# Altium PCB RFSOC_SAWG.PcbDoc (part 4 of 15) (continued)
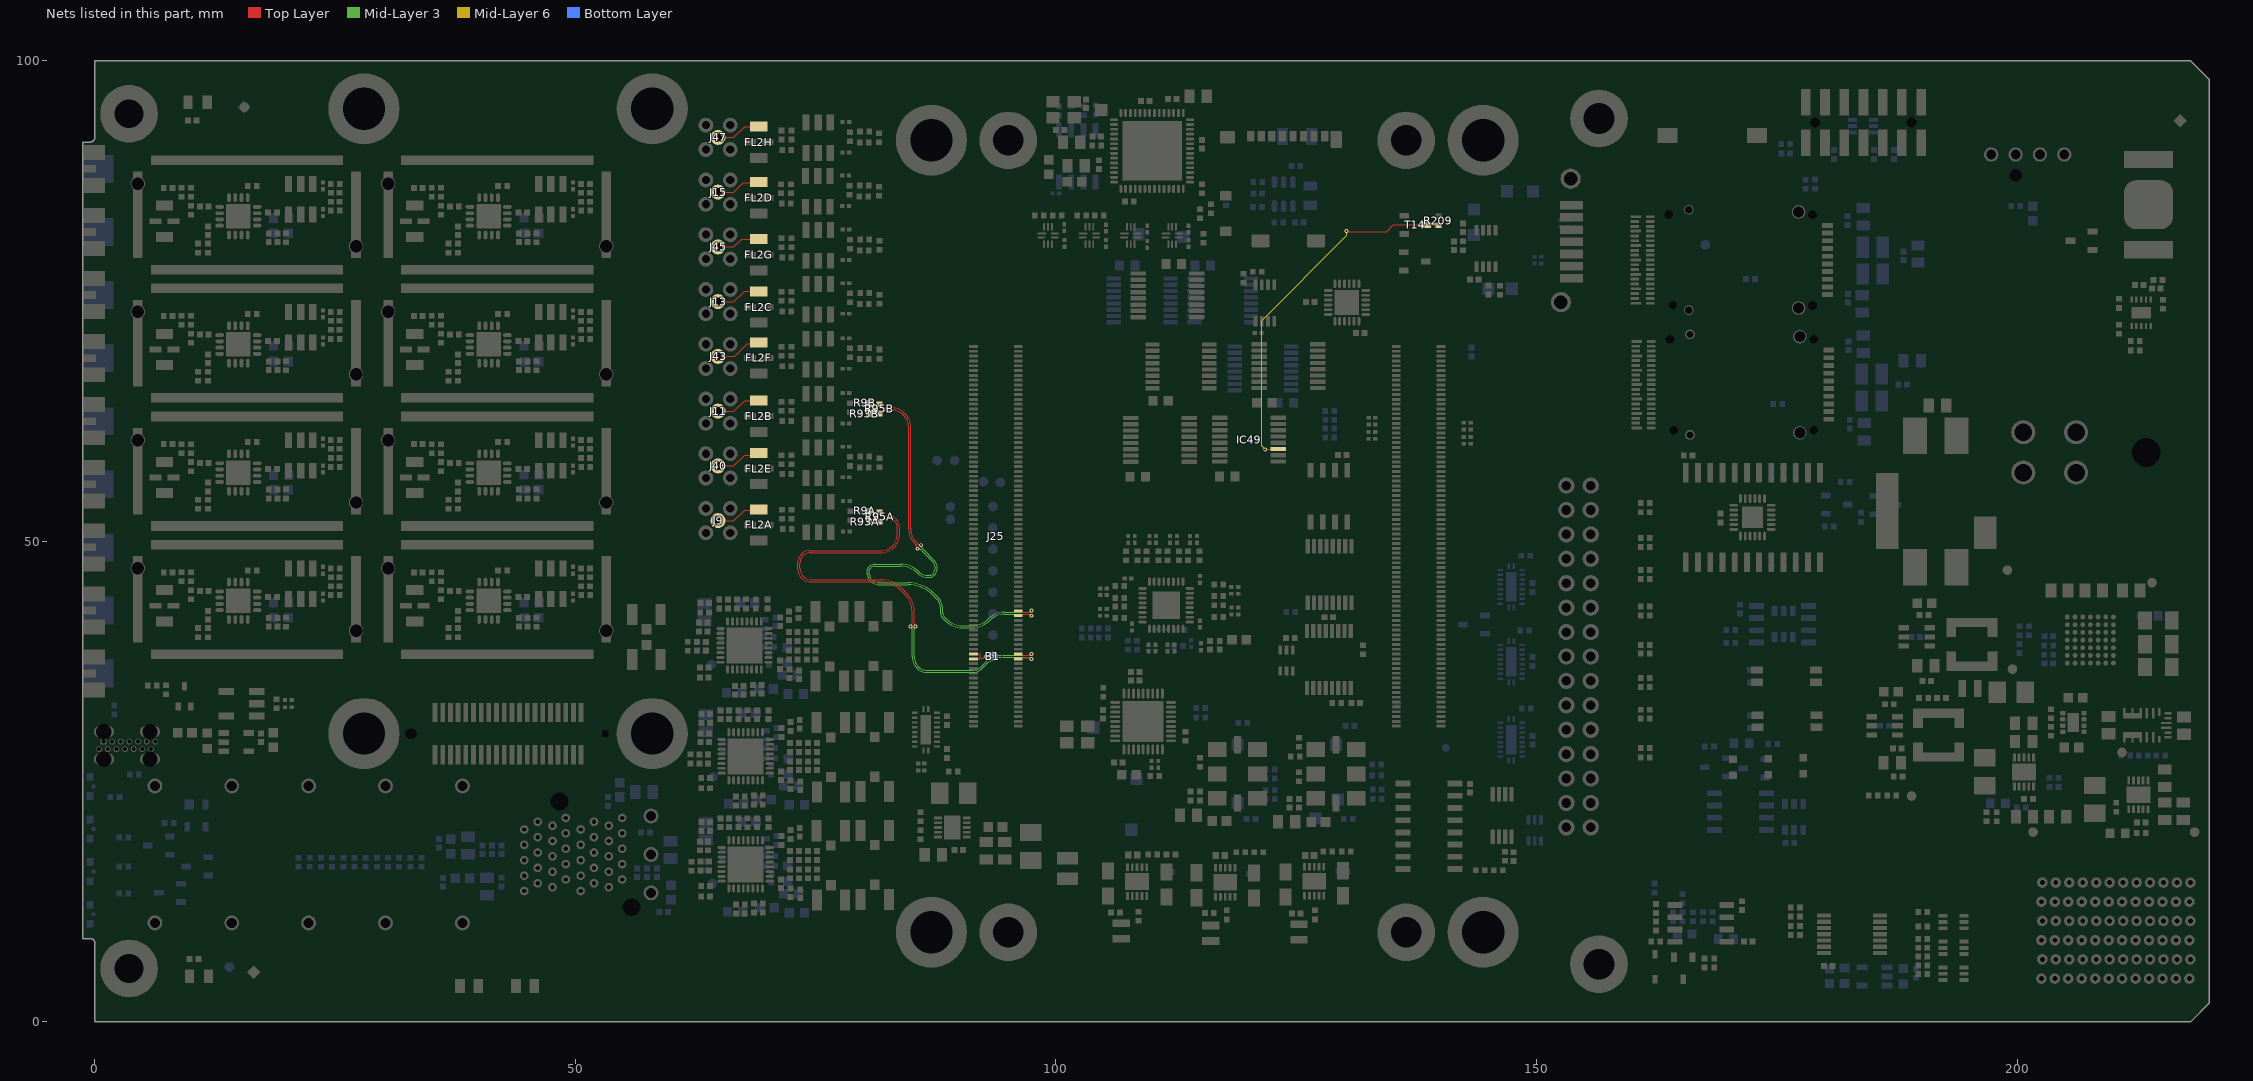
[diagram p10: the nets of this part, all layers, seen from the top]
## Part data (continued)
IC3 IC53: "1.7V-5.5V, 2K I2C Serial EEPROM With EUI-48 Node Identity", Case=SOT23-6, Manufacturer="MICROCHIP TECHNOLOGY", Author="CERN DEM BC", Bonding=No, Component Type=Standard, ComponentHeight=1.45mm, CreateDate=06.12.2019, Device=24AA025E48T-I/OT, HelpURL=\\cern.ch\dfs\Applications\Altium\Datasheets\24AA025E48T-I-OT.pdf, LatestRevisionDate=06.12.2019, Manufacturer Part Number=24AA025E48T-I/OT, Mounted=Yes, PackageDescription="SOT, 0.95mm pitch; 6 pin, 1.60mm W X 2.90mm L X 1.45mm H body, IPC Medium Density", Part Description="1.7V-5.5V, 2K I2C Serial EEPROM with EUI-48™ Node Identity; Cascadable", Part Number=24AA025E48T-I/OT, Pin Count=6, PressFit=No, Sense=No, SMD=Yes, Socket=No
IC4: "SDIO Port Expander With Voltage-Level Translation", Case=QFN24, Manufacturer="TEXAS INSTRUMENTS", Author="CERN DEM JLC", Bonding=No, Component Type=Standard, ComponentHeight=0.8mm, CreateDate=19.11.2014, Device=TXS02612RTWR, HelpURL=\\cern.ch\dfs\Applications\Altium\Datasheets\TXS02612RTWR.pdf, LatestRevisionDate=19.11.2014, Manufacturer Part Number=TXS02612RTWR, Mounted=Yes, PackageDescription="QFN, 0.50mm Pitch, Square; 24 Pin, 4.00mm L X 4.00mm W X 0.80mm H body (w/Thermal Tab 2.55 X 2.55mm), IPC Medium Density", Part Description="SDIO Port Expander with Voltage-Level Translation", Part Number=TXS02612RTWR, Pin Count=25, PressFit=No, Sense=No, SMD=Yes, Socket=No
IC5 IC25: "1.7V-5.5V, 2K I2C™ Serial EEPROMs with EUI-48™ Node Identity", Case=SOIC8, Manufacturer="MICROCHIP TECHNOLOGY", Author="CERN DEM MR", Bonding=No, Component Type=Standard, ComponentHeight=1.75mm, CreateDate=19.07.2016, Device=24AA025E48-I/SN, HelpURL=\\cern.ch\dfs\Applications\Altium\Datasheets\24AA025E48-I-SN.pdf, LatestRevisionDate=19.07.2016, Manufacturer Part Number=24AA025E48-I/SN, Mounted=Yes, PackageDescription="SOIC 8, Pitch 1.27mm - Body 4x5mm, IPC Medium Density", Part Description="1.7V-5.5V, 2K I2C™ Serial EEPROMs with EUI-48™ Node Identity", Part Number=24AA025E48-I/SN, Pin Count=8, PressFit=No, Sense=No, SMD=Yes, Socket=No
IC6 IC8 IC40 IC41: "Dual-Bit Dual-Supply Bus Transceiver With Configurable Voltage Translation and 3-State Outputs", Case=QFN10, Manufacturer="TEXAS INSTRUMENTS", Author="CERN DEM JLC", Bonding=No, Component Type=Standard, ComponentHeight=0.55mm, CreateDate=07.07.2014, Device=SN74AVC2T245RSWR, HelpURL=\\cern.ch\dfs\Applications\Altium\Datasheets\SN74AVC2T245RSWR.pdf, LatestRevisionDate=30.03.2017, Manufacturer Part Number=SN74AVC2T245RSWR, Mounted=Yes, PackageDescription="QFN, 0.40mm Pitch, Rect.;10 Pin, 1.80mm L X 1.40mm W X 0.55mm H Body, IPC Medium Density", Part Description="Dual-Bit Dual-Supply Bus Transceiver With Configurable Voltage Translation and 3-State Outputs", Part Number=SN74AVC2T245RSWR, Pin Count=10, PressFit=No, Sense=No, SMD=Yes, Socket=No, Status="Not Recommended"
IC7: "Quad High Speed USB to Multipurpose UART/MPSSE IC", Case=QFN56, Manufacturer="FUTURE TECHNOLOGY DEVICES INTERNATIONAL (FTDI)", Author="CERN DEM JLC", Bonding=No, Component Type=Standard, ComponentHeight=1mm, CreateDate=11.10.2016, Device=FT4232H-56Q, HelpURL=\\cern.ch\dfs\Applications\Altium\Datasheets\FT4232H-56Q.pdf, LatestRevisionDate=11.10.2016, Manufacturer Part Number=FT4232H-56Q, Mounted=Yes, PackageDescription="QFN, 0.50mm Pitch, Square; 56 Pin, 8.00mm L X 8.00mm W X 1.00mm H body (6.1mm X 6.1mm Thermal tab), IPC Medium Density", Part Description="Quad High Speed USB to Multipurpose UART/MPSSE IC", Part Number=FT4232H-56Q, Pin Count=57, PressFit=No, Sense=No, SMD=Yes, Socket=No
IC9 IC13: "Dual Bidirectional I2C Bus And SMBus Voltage-Level Translator", Case=SSOP8, Manufacturer="TEXAS INSTRUMENTS", Author="CERN DEM JLC", Bonding=No, Component Type=Standard, ComponentHeight=1.3mm, CreateDate=25.02.2013, Device=PCA9306DCTR, HelpURL=\\cern.ch\dfs\Applications\Altium\Datasheets\PCA9306DCTR.pdf, LatestRevisionDate=11.02.2016, Manufacturer Part Number=PCA9306DCTR, Mounted=Yes, PackageDescription="SOP, 0.65mm, Pitch; 8 Pin, 2.80mm W X 2.95mm L X 1.30mm H Body, PC Medium Density", Part Description="Dual Bidirectional I2C Bus And SMBus Voltage-Level Translator", Part Number=PCA9306DCTR, Pin Count=8, PressFit=No, Sense=No, SMD=Yes, Socket=No
IC12 IC32 IC34 IC43: "8-Bit Shift Register With 3-State Output Register", Case=TSSOP16, Manufacturer=NEXPERIA, Author="CERN DEM HF", Bonding=No, Component Type=Standard, ComponentHeight=1.1mm, CreateDate=11.04.2022, Device=74LVC595APW, HelpURL=\\cern.ch\dfs\Applications\Altium\Datasheets\74LVC595APW.pdf, LatestRevisionDate=11.04.2022, Manufacturer Part Number=74LVC595APW, Mounted=Yes, PackageDescription="SOP, 0.65mm Pitch; 16 Pin, 4.40mm W X 5.00mm L X 1.10mm H body, IPC Medium Density", Part Description="8-Bit Shift Register with 3-State Output Registers", Part Number=74LVC595APW, Pin Count=16, PressFit=No, Sense=No, SMD=Yes, Socket=No
IC14 IC44: "500mA Peak Output LDO Regulator", Case=SOT23-5, Manufacturer="MICROCHIP TECHNOLOGY", Author="CERN DEM WB", Bonding=No, Component Type=Standard, ComponentHeight=1.45mm, CreateDate=2019-04-16, Device=MIC5219-3.3YM5, HelpURL=\\cern.ch\dfs\Applications\Altium\Datasheets\MIC5219-3.3YM5.pdf, LatestRevisionDate=2019-04-16, Manufacturer Part Number=MIC5219-3.3YM5, Mounted=Yes, PackageDescription="SOT, 0.95mm pitch; 5 pin, 1.60mm W X 2.90mm L X 1.45mm H body, IPC Medium Density", Part Description="3.3V 500mA Peak Output Low Drop-Out  (LDO) Regulator", Part Number=MIC5219-3.3YM5, Pin Count=5, PressFit=No, Sense=No, SMD=Yes, Socket=No
IC15: "Low Voltage 8-Channel I2C Switch With Reset", Case=QFN24, Manufacturer="TEXAS INSTRUMENTS", Author="CERN DEM JLC", Bonding=No, Component Type=Standard, ComponentHeight=1mm, CreateDate=07.07.2014, Device=TCA9548ARGER, HelpURL=\\cern.ch\dfs\Applications\Altium\Datasheets\TCA9548ARGER.pdf, LatestRevisionDate=07.07.2014, Manufacturer Part Number=TCA9548ARGER, Mounted=Yes, PackageDescription="QFN, 0.50mm Pitch, Square; 24 Pin, 4.00mm L X 4.00mm W X 1.00mm H body (w/thermal tab 2.2 X 2.2mm), IPC Medium Density", Part Description="Low Voltage 8-Channel I2C Switch With Reset", Part Number=TCA9548ARGER, Pin Count=25, PressFit=No, Sense=No, SMD=Yes, Socket=No
IC16: "4-BIT 1-OF-2 FET Multiplexer/Demultiplexer 2.5V/3.3V Low-Voltage Bus Switch 5V Tolerant Shifter", Case=TSSOP16, Manufacturer="TEXAS INSTRUMENTS", Author="CERN DEM JLC", Bonding=No, Component Type=Standard, ComponentHeight=1.2mm, CreateDate=2012-01-30, Device=SN74CB3T3257PW, HelpURL=\\cern.ch\dfs\Applications\Altium\Datasheets\SN74CB3T3257PW.pdf, LatestRevisionDate=2012-01-30, Manufacturer Part Number=SN74CB3T3257PW, Mounted=Yes, PackageDescription="SOP, 0.65mm Pitch; 16 Pin, 4.40mm W X 5.00mm L X 1.20mm H body, IPC Medium Density", Part Description="4-Bit 1-of-2 FET Multiplexer/Demultiplexer 2.5V/3.3V Low-Voltage Bus Switch 5V Tolerant Shifter", Part Number=SN74CB3T3257PW, Pin Count=16, PressFit=No, Sense=No, SMD=Yes, Socket=No
IC17: "Remote Diode Digital Temperature Sensor with Integrated Fan Control and TruTherm® BJT Transistor Beta Compensation Technology", Case=SON10, Manufacturer="TEXAS INSTRUMENTS", Author="CERN DEM HF", Bonding=No, Component Type=Standard, ComponentHeight=0.8mm, CreateDate=08.08.2022, Device=LM96163CISD, HelpURL=\\cern.ch\dfs\Applications\Altium\Datasheets\LM96163.pdf, LatestRevisionDate=08.08.2022, Manufacturer Part Number=LM96163CISD, Mounted=Yes, PackageDescription="SON, TEXAS Case Style DSC, 0.50mm Pitch, Square, 10 Pin, 3.00mm L X 3.00mm W X 0.80mm H body  (w/Thermal Tab 1.2 X 2.0 mm)", Part Description="Remote Diode Digital Temperature Sensor with Integrated Fan Control and TruTherm® BJT Transistor Beta Compensation Technology", Part Number=LM96163CISD, Pin Count=11, PressFit=No, Sense=No, SMD=Yes, Socket=No
IC19 IC46: "4.2V TO 18V INPUT, 2A LOW IQ SYNCHRONOUS BUCK CONVERTER", Case=SOT23-6, Manufacturer="DIODES INCORPORATED", Author="CERN DEM HF", Bonding=No, Component Type=Standard, ComponentHeight=1.1mm, CreateDate=07.01.2022, Device=AP62201WU-7, HelpURL=\\cern.ch\dfs\Applications\Altium\Datasheets\AP6220x.pdf, LatestRevisionDate=07.01.2022, Manufacturer Part Number=AP62201WU-7, Mounted=Yes, PackageDescription="SOT23, 0.95mm Pitch; 6 Pin, 1.625mm W X 2.90mm L X 1.00mm H body, IPC Medium Density", Part Description="4.2V TO 18V INPUT, 2A LOW IQ SYNCHRONOUS BUCK CONVERTER", Part Number=AP62201WU-7, Pin Count=6, PressFit=No, Sense=No, SMD=Yes, Socket=No
IC21: "Dual 2-to-4 line decoder/demultiplexer", Case=SOIC16, Manufacturer="TEXAS INSTRUMENTS", Author="CERN DEM JLC", Bonding=No, Component Type=Standard, ComponentHeight=1.75mm, CreateDate=25.01.2012, Device=SN74LV139AD, HelpURL=\\cern.ch\dfs\Applications\Altium\Datasheets\SN74LV139AD.pdf, LatestRevisionDate=25.01.2012, Manufacturer Part Number=SN74LV139AD, Mounted=Yes, PackageDescription="SOIC 16, Pitch 1.27mm - Body 4x10mm, IPC Medium Density", Part Description="Dual 2-to-4 Line Decoder/Demultiplexer", Part Number=SN74LV139AD, Pin Count=16, PressFit=No, Sense=No, SMD=Yes, Socket=No
IC22: "Any Frequency Precision Clock Multiplier/Jitter Attenuator", Case=QFN36, Manufacturer="SILICON LABS", Author="CERN DEM JLC", Bonding=No, Component Type=Standard, ComponentHeight=0.9mm, CreateDate=19.08.2013, Device=Si5324C-C-GM, HelpURL=\\cern.ch\dfs\Applications\Altium\Datasheets\Si5324C-C-GM.pdf, LatestRevisionDate=19.08.2013, Manufacturer Part Number=Si5324C-C-GM, Mounted=Yes, PackageDescription="QFN, 0.50mm Pitch, Square; 36 Pin, 6.00mm L X 6.00mm W X 0.90mm H Body (w/thermal tab 4.25m x 4.25mm), IPC Medium Density", Part Description="Any Frequency Precision Clock Multiplier/Jitter Attenuator", Part Number=Si5324C-C-GM, Pin Count=37, PressFit=No, Sense=No, SMD=Yes, Socket=No
IC23: "Two Selectable Inputs, 8 LVPECL Outputs, SiGe Clock Fanout Buffer", Case=QFN32, Manufacturer="ANALOG DEVICES", Author="CERN DEM MR", Bonding=No, Component Type=Standard, ComponentHeight=0.8mm, CreateDate=2016-11-30, Device=ADCLK948BCPZ, HelpURL=\\cern.ch\dfs\Applications\Altium\Datasheets\ADCLK948BCPZ.pdf, LatestRevisionDate=2016-11-30, Manufacturer Part Number=ADCLK948BCPZ, Mounted=Yes, PackageDescription="QFN, 0.50mm Pitch, Square; 8 Pin X 8 Pin, 5mm X 5mm X 1.00mm H body (w/thermal tab 2.85 X 2.85mm),  IPC Medium Density", Part Description="Two Selectable Inputs, 8 LVPECL Outputs, SiGe Clock Fanout Buffer", Part Number=ADCLK948BCPZ, Pin Count=33, PressFit=No, Sense=No, SMD=Yes, Socket=No
IC24A IC24B IC24C IC24D IC24E IC24F IC24G IC24H: "DC-4GHz High Isolation SPDT Non-Reflective Switch", Case=QFN16, Manufacturer="ANALOG DEVICES", Author="CERN DEM JLC", Bonding=No, Component Type=Standard, ComponentHeight=1mm, CreateDate=2017-02-23, Device=HMC349ALP4CE, HelpURL=\\cern.ch\dfs\Applications\Altium\Datasheets\HMC349ALP4CE.pdf, LatestRevisionDate=2017-02-23, Manufacturer Part Number=HMC349ALP4CE, Mounted=Yes, PackageDescription="QFN, 0.65mm pitch,square; 4 pin X 4 pin, 4mm X 4mm X 1mm H body (w/thermal tab 2.55 X 2.55mm),  IPC Medium Density", Part Description="DC-4GHz High Isolation SPDT Non-Reflective Switch", Part Number=HMC349ALP4CE, Pin Count=17, PressFit=No, Sense=No, SMD=Yes, Socket=No
IC26: "TinyLogic® UHS 2-Input Non-Inverting Multiplexer", Case=SOT363, Manufacturer="FAIRCHILD SEMICONDUCTOR", Author="CERN DEM JLC", Bonding=No, Component Type=Standard, ComponentHeight=1.1mm, CreateDate=22.03.2012, Device=NC7SZ157P6X, HelpURL=\\cern.ch\dfs\Applications\Altium\Datasheets\NC7SZ157P6X.pdf, LatestRevisionDate=22.03.2012, Manufacturer Part Number=NC7SZ157P6X, Mounted=Yes, PackageDescription="SOT363, 0.65mm pitch; 6 pin, 1.40mm W X 2.15mm L, IPC Medium Density", Part Description="TinyLogic® UHS 2-Input Non-Inverting Multiplexer", Part Number=NC7SZ157P6X, Pin Count=6, PressFit=No, Sense=No, SMD=Yes, Socket=No
IC27 IC28 IC29 IC42: "Two-Channel Differential 2:1/1:2 USB3.1 Mux/Demux", Case=TQFN20, Manufacturer="TEXAS INSTRUMENTS", Author="CERN DEM BC", Bonding=No, Component Type=Standard, ComponentHeight=1mm, CreateDate=2019-11-06, Device=HD3SS3212RKS, HelpURL=\\cern.ch\dfs\Applications\Altium\Datasheets\HD3SS3212RKS.pdf, LatestRevisionDate=2019-11-06, Manufacturer Part Number=HD3SS3212RKS, Mounted=Yes, PackageDescription="QFN, TEXAS Case Style RKS, 0.50mm Pitch, Rect.; 20 Pin, 2.50mm L X 4.50mm W X 1.00mm H body (w/Thermal Tab 1.1mm X 3.1mm)", Part Description="Two-Channel Differential 2:1/1:2 USB3.1 Mux/Demux", Part Number=HD3SS3212RKS, Pin Count=21, PressFit=No, Sense=No, SMD=Yes, Socket=No
IC30: "Quad LVDS Line Receivers with Integrated Termination and Flow-Through Pinout", Case=TSSOP16, Manufacturer=MAXIM, Author="CERN DEM MR", Bonding=No, Component Type=Standard, ComponentHeight=1.1mm, CreateDate=2015-12-14, Device=MAX9122EUE+, HelpURL=\\cern.ch\dfs\Applications\Altium\Datasheets\MAX9122EUE+.pdf, LatestRevisionDate=2015-12-14, Manufacturer Part Number=MAX9122EUE+, Mounted=Yes, PackageDescription="SOP, 0.65mm Pitch; 16 Pin, 4.40mm W X 5.00mm L X 1.10mm H body, IPC Medium Density", Part Description="Quad LVDS Line Receivers with Integrated Termination and Flow-Through Pinout", Part Number=MAX9122EUE+, Pin Count=16, PressFit=No, Sense=No, SMD=Yes, Socket=No
IC31: "Single, 3V, CMOS, LVDS, High Speed Differential Driver", Case=SOIC8, Manufacturer="ANALOG DEVICES", Author="CERN DEM JMW", Bonding=No, Component Type=Standard, ComponentHeight=1.75mm, CreateDate=2014-02-26, Device=ADN4661BRZ, HelpURL=\\cern.ch\dfs\Applications\Altium\Datasheets\ADN4661BRZ.pdf, LatestRevisionDate=2014-02-26, Manufacturer Part Number=ADN4661BRZ, Mounted=Yes, PackageDescription="SOIC 8, Pitch 1.27mm - Body 4x5mm, IPC Medium Density", Part Description="Single, 3V, CMOS, LVDS, High Speed Differential Driver", Part Number=ADN4661BRZ, Pin Count=8, PressFit=No, Sense=No, SMD=Yes, Socket=No
IC33: "Digital Temperature Sensor and Thermal Watchdog with Two-Wire Interface", Case=SSOP8, Manufacturer="TEXAS INSTRUMENTS", Author="CERN DEM JLC", Bonding=No, Component Type=Standard, ComponentHeight=1.09mm, CreateDate=15.10.2012, Device=LM75AIMM/NOPB, HelpURL=\\cern.ch\dfs\Applications\Altium\Datasheets\LM75AIMM-NOPB.pdf, LatestRevisionDate=15.10.2012, Manufacturer Part Number=LM75AIMM/NOPB, Mounted=Yes, PackageDescription="SOP, 0.65mm pitch; 8 pin,3.00mm W X 3.00mm L X 1.09mm H bodyI, PC Medium Density", Part Description="-25° to +100°C ±2°C Digital Temperature Sensor and Thermal Watchdog with Two-Wire Interface", Part Number=LM75AIMM/NOPB, Pin Count=8, PressFit=No, Sense=No, SMD=Yes, Socket=No
IC35: "8-Channel I2C-Bus Switch with Reset", Case=SOIC24, Manufacturer="TEXAS INSTRUMENTS", Author="CERN DEM JLC", Bonding=No, Component Type=Standard, ComponentHeight=2.65mm, CreateDate=19.07.2017, Device=PCA9548ADW, HelpURL=\\cern.ch\dfs\Applications\Altium\Datasheets\PCA9548ADW.pdf, LatestRevisionDate=19.07.2017, Manufacturer Part Number=PCA9548ADW, Mounted=Yes, PackageDescription="SOIC, 1.27mm Pitch; 24 Pin, 7.50mm W X 15.4mm L X 2.65mm H body, IPC Medium Density", Part Description="Low Voltage 8-Channel I2C Switch with Reset", Part Number=PCA9548ADW, Pin Count=24, PressFit=No, Sense=No, SMD=Yes, Socket=No
IC36: "20VIN, 15A Step-Down DC/DC µModule Regulator", Case=BGA49, Manufacturer="LINEAR TECHNOLOGY", Author="CERN DEM HF", Bonding=No, Component Type=Standard, ComponentHeight=5.36mm, CreateDate=05.08.2022, Device=LTM4638EY, HelpURL=\\cern.ch\dfs\Applications\Altium\Datasheets\LTM4628.pdf, LatestRevisionDate=05.08.2022, Manufacturer Part Number=LTM4638EY, Mounted=Yes, PackageDescription="BGA, 0.8mm Pitch, Square; 49 Pin, 7 Columns X 7 Rows, 6.25mm X 6.25mm X 5.36mm H", Part Description="20VIN, 15A Step-Down DC/DC µModule Regulator", Part Number=LTM4638EY, Pin Count=49, PressFit=No, Sense=No, SMD=Yes, Socket=No
IC37: "2.5 to 5.5 V, 1Kb (128x8) Serial Microwire Bus EEPROM", Case=SOIC8, Manufacturer="ST MICROELECTRONICS", Author="CERN DEM JLC", Bonding=No, Component Type=Standard, ComponentHeight=1.75mm, CreateDate=15.11.2012, Device=M93C46-WMN6TP, HelpURL=\\cern.ch\dfs\Applications\Altium\Datasheets\M93C46-WMN6TP.pdf, LatestRevisionDate=15.11.2012, Manufacturer Part Number=M93C46-WMN6TP, Mounted=Yes, PackageDescription="SOIC 8, Pitch 1.27mm - Body 4x5mm, IPC Medium Density", Part Description="1Kbit (128 x 8 bit or 64 x 16 bit) MICROWIRE® Serial Access EEPROM", Part Number=M93C46-WMN6TP, Pin Count=8, PressFit=No, Sense=No, SMD=Yes, Socket=No
IC38: Case=TSSOP14, Manufacturer="NXP SEMICONDUCTORS", Author="CERN DEM JLC", Bonding=No, Component Type=Standard, ComponentHeight=1.1mm, CreateDate=2014-11-19, Device=74HC4066PW, HelpURL=\\cern.ch\dfs\Applications\Altium\Datasheets\74HC4066PW.pdf, LatestRevisionDate=2014-11-19, Manufacturer Part Number=74HC4066PW, Mounted=Yes, PackageDescription="SOP, 14-Leads, Body 4.4x5mm (max), Pitch 0.65mm, IPC Medium Density", Part Description="Quad Single-Pole Single-Throw Analog Switch", Part Number=74HC4066PW, Pin Count=14, PressFit=No, SMD=Yes, Socket=No, Table="Standard Logic"
IC39: "LinCMOS Timer", Case=SOIC8, Manufacturer="TEXAS INSTRUMENTS", Author="CERN DEM JMW", Bonding=No, Component Type=Standard, ComponentHeight=1.75mm, CreateDate=23.08.2016, Device=TLC555ID, HelpURL=\\cern.ch\dfs\Applications\Altium\Datasheets\TLC555ID.pdf, LatestRevisionDate=23.08.2016, Manufacturer Part Number=TLC555ID, Mounted=Yes, PackageDescription="SOIC 8, Pitch 1.27mm, Body 4x5mm, IPC Medium Density", Part Description="LinCMOS Timer", Part Number=TLC555ID, Pin Count=8, PressFit=No, Sense=No, SMD=Yes, Socket=No
IC45A IC45B IC45C: "Microwave Wideband Synthesizer with Integrated VCO", Case=QFN32, Manufacturer="ANALOG DEVICES", Manufacturer Part Number=ADF4355-2BCP, Author="CERN DEM BC", Bonding=No, Component Type=Standard, ComponentHeight=0.8mm, CreateDate=21.07.2021, Device=ADF4355-2BCPZ, HelpURL=\\cern.ch\dfs\Applications\Altium\Datasheets\ADF4355-2BCPZ.pdf, LatestRevisionDate=22.03.2022, Mounted=Yes, PackageDescription="QFN, (MO-220-WHHD-5) 0.50mm Pitch, Square; 32 Pin, 5.00mm L X 5.00mm W X 0.80mm H body (w/Thermal Tab 3.75 X 3.75mm), IPC Medium Density", Part Description="Microwave Wideband Synthesizer with Integrated VCO", Part Number=ADF4355-2BCPZ, Pin Count=33, PressFit=No, Sense=No, SMD=Yes, Socket=No
IC48 IC49 IC50 IC51: library part CMP-0780-00191-3, "Parallel-Load 8-Bit Shift Registers, PW0016A, LARGE T&R", F @ Nom Voltage(Max)(Mhz)=70, Generic Part Number=SN74LV165A, ICC @ Nom Voltage(Max)(mA)=0.02, Manufacturer="Texas Instruments", Operating Temperature Range(C)="-40 to 125", Rating=Catalog, tpd @ Nom Voltage(Max)(ns)="28, 16.9, 13.5", Voltage(Nom)(V)="2.5, 3.3, 5", 3-State Output=No, Bits=8, Code_JEDEC=MO-153, DatasheetVersion=SCLS402N, Input Type=CMOS, No. of Outputs=2, Output Drive (IOL/IOH)(Max)(mA)=50/-50, Output Type=CMOS, PackageReference=PW0016A, PackageVersion=http://www.ti.com/lit/ml/mpds361/mpds361.pdf, Technology Family=LV-A, VCC(Max)(V)=5.5, VCC(Min)(V)=2
IC52: library part 27101, Case=µsil8, Storage-Temperature="-55/+125 (Abs)", Temperature-Range="-40/+125 (Tj)", AN=27101, Extra="3A, 2.5-6VIN High-Efficiency Step-Down Converter with Integrated Inductor", H-ART=TPS82085SIL, HelpURL=B:\AD\adlib\datasheet\TPS82085, Mixed=SMT, Trenz-Stock=Yes
J1: library part MOLEX_67800-5005, "7 Pin SATA Receptacle", Manufacturer=MOLEX, Manufacturer Part Number=67800-5005, Author="CERN DEM MR", ClassName=SATA, Component Type=Standard, ComponentHeight=8.4mm, CreateDate=01.12.2016, Family=SATA, HelpURL=\\cern.ch\dfs\Applications\Altium\Datasheets\MOLEX_67800-5005.pdf, LatestRevisionDate=01.12.2016, Mounted=Yes, Part Description="1.27mm Pitch, 7 Contacts, Serial ATA High Speed Header, Straight with Locking Latch", Part Number=MOLEX_67800-5005, Pin Count=7, PressFit=No, Sense=No, SMD=Yes, Socket=No, Status=None
J2A J2B J2C J3A J3B J3C J4A J4B J4C J33A J33B J33C J37 J39: library part HIROSE_U.FL-R-SMT-1(10), Manufacturer="HIROSE (HRS)", Manufacturer Part Number=U.FL-R-SMT-1(10), Author="CERN DEM JLC", Component Type=Standard, ComponentHeight=1.25mm, CreateDate=24.03.2010, Family=U.FL, HelpURL=\\cern.ch\dfs\Applications\Altium\Datasheets\HIROSE_U.FL-R-SMT-1(10).pdf, LatestRevisionDate=24.03.2010, Mounted=Yes, Part Description="Up to 6GHz Ultra Small Surface Mount Male Coaxial Connectors U.FL Series", Part Number=HIROSE_U.FL-R-SMT-1(10), Pin Count=2, PressFit=No, Sense=No, SMD=Yes, Socket=No, Status=None
J5 J22: library part SAMTEC_UEC5-019-2-H-D-RA-1, "Connector 38ab Female (2x19) + 2x1", Manufacturer=SAMTEC, Manufacturer Part Number=UEC5-019-2-H-D-RA-1, Author="CERN DEM BR", Component Type=Standard, ComponentHeight=3.46mm, CreateDate=06.06.2019, Family="Socket 38", HelpURL=\\cern.ch\dfs\Applications\Altium\Datasheets\SAMTEC_UEC5-019-2-H-D-RA-1.pdf, LatestRevisionDate=06.06.2019, Mounted=Yes, Part Description="38 Contacts, Pitch 0.5mm, Rugged Micro Flyover Socket System", Part Number=SAMTEC_UEC5-019-2-H-D-RA-1, Pin Count=38, PressFit=No, Sense=No, SMD=Yes, Socket=No, Status=None
J6 J23: library part SAMTEC_UCC8-010-1-H-S-1-A, "Connector 10 Female + 2", Manufacturer=SAMTEC, Manufacturer Part Number=UCC8-010-1-H-S-1-A, Author="CERN DEM JLC", Component Type=Standard, ComponentHeight=3.95mm, CreateDate=09.06.2015, Family="Socket 10", HelpURL=\\cern.ch\dfs\Applications\Altium\Datasheets\SAMTEC_UCC8-010-1-H-S-1-A.pdf, LatestRevisionDate=09.06.2015, Mounted=Yes, Part Description="10 Contacts, Pitch 0.8mm, Rugged Micro Flyover Socket System", Part Number=SAMTEC_UCC8-010-1-H-S-1-A, Pin Count=10, PressFit=No, Sense=No, SMD=Yes, Socket=No, Status=None
J7 J10 J12 J14 J16 J20 J27 J35 J36: library part AMPHENOL_302102, Manufacturer=AMPHENOL, Manufacturer Part Number=302102, Author="CERN DEM MR", Component Type=Standard, ComponentHeight=5.09mm, CreateDate=28.11.2017, Family=SMP, HelpURL=\\cern.ch\dfs\Applications\Altium\Datasheets\AMPHENOL_302102.pdf, LatestRevisionDate=19.12.2017, Mounted=Yes, Part Description="50 Ohm RF Connector, SMP End Launch Jack for 1.6mm PCB,  Flat Tab Contact", Part Number=AMPHENOL_302102, Pin Count=2, PressFit=No, Sense=No, SMD=No, Socket=No, Status=None
J8: library part CMP-04767-000020-1, "CONN RCPT USB2.0 TYPE C 24POS RA", Manufacturer Part Number=216989-0001
J9 J11 J13 J15 J40 J43 J45 J47: library part SAMTEC_MMCX-J-P-H-ST-TH1, Manufacturer=SAMTEC, Manufacturer Part Number=MMCX-J-P-H-ST-TH1, Author="CERN DEM JLC", Component Type=Standard, ComponentHeight=4.35mm, CreateDate=05.12.2012, HelpURL=\\cern.ch\dfs\Applications\Altium\Datasheets\SAMTEC_MMCX-J-P-H-ST-TH1.pdf, LatestRevisionDate=05.12.2012, Mounted=Yes, Part Description="Straight Through-hole 50 Ohm Micro Mini RF Jack, MMCX Series", Part Number=SAMTEC_MMCX-J-P-H-ST-TH1, Pin Count=2, PressFit=No, Sense=No, SMD=No, Socket=No, Status=None
J19: library part AMPHENOL_10052825-101LF, "72 Contacts Header, 6 Columns, 4 Pairs per Column", Manufacturer=AMPHENOL, Manufacturer Part Number=10052825-101LF, Author="CERN DEM MR", ClassName=Overlapping, ComponentHeight=15.35mm, ComponentLink1Description=Application, ComponentLink1URL=\\cern.ch\dfs\Applications\Altium\Datasheets\AMPHENOL_10052825-101LF_Application.pdf, Component Type=Standard, CreateDate=19/02/2018, Family="AirMax VS", HelpURL=\\cern.ch\dfs\Applications\Altium\Datasheets\AMPHENOL_10052825-101LF.pdf, LatestRevisionDate=19/02/2018, Mounted=Yes, Part Description="72 Contacts, 2mm Pitch, 6 Columns, 4 Pairs per Column, 4 Walls, Right Angle Header", Part Number=AMPHENOL_10052825-101LF, Pin Count=72, PressFit=Yes, Sense=No, SMD=No, Socket=No, Status=None
J21: library part 24942, "Stiftleiste 4 Pol. 7.5mm 2,54mm PC FAN", Manufacturer Part Number="Molex 47053-1000", AN=24942, H-ART=47053-1000, HelpURL=B:\AD\adlib\datasheet\47053-1000, Mixed=THT, Trenz-Stock=Yes
J24 J25: library part SAMTEC_SS5-80-3.00-L-D-K, "Connector 160 Female", Manufacturer=SAMTEC, Manufacturer Part Number=SS5-80-3.00-L-D-K, Author="CERN DEM BC", Component Type=Standard, ComponentHeight=4mm, CreateDate=11.08.2021, Family="Socket 160", HelpURL=\\cern.ch\dfs\Applications\Altium\Datasheets\SAMTEC_SS5-80-3.00-L-D-K.pdf, LatestRevisionDate=11.08.2021, Mounted=Yes, Part Description="160 Contacts, Pitch 0.50 mm Micro Blade & Beam Low-Profile Socket", Part Number=SAMTEC_SS5-80-3.00-L-D-K, Pin Count=160, PressFit=No, Sense=No, SMD=Yes, Socket=No, Status=None
J28: library part 26322, "microSD Memory Card Connector with Detect Switch", Case=microSD, Manufacturer Part Number="Molex 104031-0811", Storage-Temperature=-10/+60, Temperature-Range=-25/+85, AN=26322, H-ART=104031-0811, HelpURL=B:\AD\adlib\datasheet\104031-0811, Mixed=SMT, Trenz-Stock=Yes
J32: library part 3M_N2530-6002RB, "Connector 30 Male", Manufacturer=3M, Manufacturer Part Number=N2530-6002RB, Author="CERN DEM JLC", Component Type=Standard, ComponentHeight=10.03mm, CreateDate=11.02.2009, Family="Header 30", HelpURL=\\cern.ch\dfs\Applications\Altium\Datasheets\3M_N2530-6002RB.pdf, LatestRevisionDate=11.08.2009, Mounted=Yes, Part Description="30 Contacts - Straight .100'' x .100'' Low Profile Four-Wall Header, 2500 Series", Part Number=3M_N2530-6002RB, Pin Count=30, PressFit=No, Sense=No, SMD=No, Socket=No, Status=None
J34: library part MOLEX_87832-1420, "Connector 14 Male", Manufacturer=MOLEX, Manufacturer Part Number=87832-1420, Author="CERN DEM JLC", Component Type=Standard, ComponentHeight=7.6mm, CreateDate=09.09.2008, Family=Milli-Grid™, HelpURL=\\cern.ch\dfs\Applications\Altium\Datasheets\MOLEX_87832-1420.pdf, LatestRevisionDate=09.09.2008, Mounted=Yes, Part Description="2.00mm (.079\") Pitch Milli-Grid™ Header, Surface Mount, Vertical, Shrouded, 14 Circuits,with Locking Windows and Centre Polarization Slot, PCB Locator", Part Number=MOLEX_87832-1420, Pin Count=14, PressFit=No, Sense=No, SMD=Yes, Socket=No, Status=None
J38: library part MOLEX_39-30-0040, "Connector 4 Male", Manufacturer=MOLEX, Manufacturer Part Number=39-30-0040, Author="CERN DEM JLC", Component Type=Standard, ComponentHeight=11.4mm, CreateDate=2018-10-02, Family="Mini-Fit Jr.™", HelpURL=\\cern.ch\dfs\Applications\Altium\Datasheets\MOLEX_39-30-0040.pdf, LatestRevisionDate=2018-10-02, Mounted=Yes, Part Description="4.20mm (.165\") Pitch Mini-Fit Jr. Header, Dual Row, Right Angle with Snap-in Plastic Peg PCB Lock, 4 Circuits", Part Number=MOLEX_39-30-0040, Pin Count=4, PressFit=No, Sense=No, SMD=No, Socket=No, Status=None
J53: library part MOLEX_75640-5001, "Dual 20 Positions Stacked SFP (Small Form-factor Pluggable) Receptacles with 4 Light Pipes, Medium Height Assembly, Press Fit Tails", Manufacturer=MOLEX, Manufacturer Part Number=75640-5001, Author="CERN DEM JLC", Component Type=Standard, ComponentHeight=25.8mm, CreateDate=15.10.2013, Family=SFP, HelpURL=\\cern.ch\dfs\Applications\Altium\Datasheets\MOLEX_75640-5001.pdf, LatestRevisionDate=15.10.2013, Mounted=Yes, Part Description="Dual Stacked SFP Cage (Small Form-factor Pluggable) with 2x20 Positions Integrated Receptacles and 4 Light Pipes (Press Fit Tails)", Part Number=MOLEX_75640-5001, Pin Count=53, PressFit=Yes, Sense=No, SMD=Yes, Socket=No, Status=None
L1 L2: library part IND_3.3UH_30%_WURTH_WE-TPC_744043003, "Inductor With Core", Manufacturer="WURTH ELEKTRONIK", Manufacturer Part Number=744043003, Power=2.15A, Resistance=0.03R, Tolerance=±30%, Author="CERN DEM JLC", Component Type=Standard, ComponentHeight=3mm, CreateDate=12.07.2011, HelpURL=\\cern.ch\dfs\Applications\Altium\Datasheets\IND_WURTH_WE-TPC_744043003.pdf, LatestRevisionDate=24.01.2012, Mounted=Yes, Part Description="Shielded Tiny Power Inductor (WE-TPC Serie)", Part Number=IND_3.3UH_30%_WURTH_WE-TPC_744043003, Pin Count=2, Sense=No, SMD=Yes, Socket=No
L3 L10: library part IND0603_MURATA_BLM18SG121TN1D, Case=0603, Manufacturer=MURATA, Manufacturer Part Number=BLM18SG121TN1D, Power=3A, Resistance=0.025R, Tolerance=±25%, Author="CERN DEM JLC", Component Type=Standard, ComponentHeight=0.65mm, CreateDate=23.07.2014, HelpURL=\\cern.ch\dfs\Applications\Altium\Datasheets\IND0603_MURATA_BLM18S.pdf, LatestRevisionDate=25.10.2018, Mounted=Yes, Part Description="SMD EMIFIL Suppression Chip Ferrite Bead", Part Number=IND0603_MURATA_BLM18SG121TN1D, Pin Count=2, Sense=No, SMD=Yes, Socket=No
L4 L5 L7 L8 L12: library part IND1008_1UH_20%_TDK_TFM252012ALVA1R0M, "Inductor", Case=1008, Manufacturer=TDK, Manufacturer Part Number=TFM252012ALVA1R0M, Power=4.7A, Resistance=0.035R, Tolerance=±20%, Author="CERN DEM BC", Component Type=Standard, ComponentHeight=1.2mm, CreateDate=16.04.2020, HelpURL=\\cern.ch\dfs\Applications\Altium\Datasheets\IND_TDK_TFM252012ALVA.pdf, LatestRevisionDate=16.04.2020, Mounted=Yes, Part Description="Inductors for Power Circuits Thin-Film Metal Magnetic Material (TFM-ALVA Series for Automotive)", Part Number=IND1008_1UH_20%_TDK_TFM252012ALVA1R0M, Pin Count=2, Sense=No, SMD=Yes, Socket=No
L6 L32 L34 L35: library part IND_2.2UH_20%_WURTH_WE-PMCI_74479276222C, "Inductor", Case=0806, Manufacturer="WURTH ELEKTRONIK", Manufacturer Part Number=74479276222C, Power=1.1A, Resistance=0.112R, Tolerance=±20%, Author="CERN DEM JLC", Component Type=Standard, ComponentHeight=1mm, CreateDate=20.10.2016, HelpURL=\\cern.ch\dfs\Applications\Altium\Datasheets\IND_WURTH_WE-PMCI_74479276222C.pdf, LatestRevisionDate=20.10.2016, Mounted=Yes, Part Description="SMD Power Molded Chip  Inductor (WE-PMCI Series)", Part Number=IND_2.2UH_20%_WURTH_WE-PMCI_74479276222C, Pin Count=2, Sense=No, SMD=Yes, Socket=No, Status=None
L20A L20B L20C L27A L27B L27C L28A L28B L28C: library part IND0603_MURATA_BLM18PG121SN1D, "Inductor", Case=0603, Manufacturer=MURATA, Manufacturer Part Number=BLM18PG121SN1D, Power=2A, Resistance=0.05R, Author="CERN DEM BC", Component Type=Standard, ComponentHeight=0.95mm, CreateDate=2015-07-27, HelpURL=\\cern.ch\dfs\Applications\Altium\Datasheets\IND0603_MURATA_BLM18P.pdf, LatestRevisionDate=2015-07-27, Mounted=Yes, Part Description="SMD EMIFIL Chip Ferrite Bead", Part Number=IND0603_MURATA_BLM18PG121SN1D, Pin Count=2, Sense=No, SMD=Yes, Socket=No, Status=None
L22 L24 L25 L29 L30 L31 L36 L37 L38 L55 L56: library part IND0603_MURATA_BLM18SG121TN1D, "Inductor", Case=0603, Manufacturer=MURATA, Manufacturer Part Number=BLM18SG121TN1D, Power=3A, Resistance=0.025R, Tolerance=±25%, Author="CERN DEM JLC", Component Type=Standard, ComponentHeight=0.65mm, CreateDate=23.07.2014, HelpURL=\\cern.ch\dfs\Applications\Altium\Datasheets\IND0603_MURATA_BLM18S.pdf, LatestRevisionDate=23.07.2014, Mounted=Yes, Part Description="SMD EMIFIL Suppression Chip Ferrite Bead", Part Number=IND0603_MURATA_BLM18SG121TN1D, Pin Count=2, Sense=No, SMD=Yes, Socket=No, Status=None
L26A L26B L26C: library part IND0805_4.7UH_20%_KEMET_L-DWI, "Inductor With Core", Case=0805, Manufacturer=KEMET, Manufacturer Part Number=L0805C4R7MDWIT, Power=360mA, Resistance=0.5R, Tolerance=±20%, Author="CERN DEM JLC", Component Type=Standard, ComponentHeight=1.45mm, CreateDate=26.01.2010, HelpURL="\\cern.ch\dfs\Applications\Altium\Datasheets\IND0805_KEMET_L-DWI .pdf", LatestRevisionDate=26.01.2010, Mounted=Yes, Part Description="Wire Wound Chip Inductors", Part Number=IND0805_4.7UH_20%_KEMET_L-DWI, Pin Count=2, Sense=No, SMD=Yes, Socket=No, Status=None
L54A L54B L54C L54D L54E L54F L54G L54H: library part IND0603_TDK_MPZ1608R391A, "Inductor", Case=0603, Manufacturer=TDK, Manufacturer Part Number=MPZ1608R391A, Power=1.2A, Resistance=0.12R, Tolerance=±25%, Author="CERN DEM JLC", Component Type=Standard, ComponentHeight=0.95mm, CreateDate=2009-12-02, HelpURL=\\cern.ch\dfs\Applications\Altium\Datasheets\IND0603_TDK_MPZ1608.pdf, LatestRevisionDate=2009-12-02, Mounted=Yes, Part Description="SMT Chip Bead for Power Line", Part Number=IND0603_TDK_MPZ1608R391A, Pin Count=2, Sense=No, SMD=Yes, Socket=No, Status=None
LD1: library part LED_KINGBRIGHT_KPH-1608CGCK, "LED Green 1C 2A", Manufacturer=KINGBRIGHT, Manufacturer Part Number=KPH-1608CGCK, Author="CERN DEM JLC", Bonding=No, Color=Green, Component Type=Standard, ComponentHeight=0.65mm, CreateDate=03.07.2017, HelpURL=\\cern.ch\dfs\Applications\Altium\Datasheets\LED_KINGBRIGHT_KPH-1608CGCK.pdf, LatestRevisionDate=03.07.2017, Mounted=Yes, PackageDescription="SMT Green LED, Case 0603, Body L 1.6 x W 0.8mm H 0.65mm", Part Description="SMD Green LED, Case 1.6mmX0.8mm(0603), 0.65mm Thickness", Part Number=LED_KINGBRIGHT_KPH-1608CGCK, Pin Count=2, PressFit=No, Sense=No, SMD=Yes, Socket=No
LD2 LD5 LD15: library part LED_AVAGO_HSME-C120, "LED Green 1C 2A", Manufacturer="AVAGO TECHNOLOGIES", Manufacturer Part Number=HSME-C120, Author="CERN DEM JMW", Bonding=No, Color=Green, Component Type=Standard, ComponentHeight=0.7mm, ComponentLink1Description="Design Guide", ComponentLink1URL=\\cern.ch\dfs\Applications\Altium\Datasheets\LED_AVAGO_HSME-C110_DESIGN-GUIDE.pdf, CreateDate=22.07.2009, HelpURL=\\cern.ch\dfs\Applications\Altium\Datasheets\LED_AVAGO_HSME-C120.pdf, LatestRevisionDate=20.06.2012, Mounted=Yes, PackageDescription="Green Chip LED, 2-Leads, Body 1.7x1.1mm, Side Emitting Package", Part Description="High Performance Right Angle Chip Green LED", Part Number=LED_AVAGO_HSME-C120, Pin Count=2, PressFit=No, Sense=No, SMD=Yes, Socket=No
LD3: library part LED_0603_Green, "Green 0603", Manufacturer=KINGBRIGHT, Manufacturer Part Number=KPH-1608CGCK, Part Number=LED_KINGBRIGHT_KPH-1608CGCK, Author="CERN DEM JLC", Bonding=No, Color=Green, Component Type=Standard, ComponentHeight=0.65mm, CreateDate=03.07.2017, HelpURL=\\cern.ch\dfs\Applications\Altium\Datasheets\LED_KINGBRIGHT_KPH-1608CGCK.pdf, LatestRevisionDate=03.07.2017, Mounted=Yes, PackageDescription="SMT Green LED, Case 0603, Body L 1.6 x W 0.8mm H 0.65mm", Part Description="SMD Green LED, Case 1.6mmX0.8mm(0603), 0.65mm Thickness", Pin Count=2, PressFit=No, Sense=No, SMD=Yes, Socket=No
LD4: library part LED_AVAGO_HSMC-C120, "LED Red 1C 2A", Manufacturer="AVAGO TECHNOLOGIES", Manufacturer Part Number=HSMC-C120, Author="CERN DEM JMW", Bonding=No, Color=Red, Component Type=Standard, ComponentHeight=0.7mm, ComponentLink1Description="Design Guide", ComponentLink1URL=\\cern.ch\dfs\Applications\Altium\Datasheets\LED_AVAGO_HSMC-C120_DESIGN-GUIDE.pdf, CreateDate=22.07.2009, HelpURL=\\cern.ch\dfs\Applications\Altium\Datasheets\LED_AVAGO_HSMC-C120.pdf, LatestRevisionDate=20.06.2012, Mounted=Yes, PackageDescription="Red Chip LED, 2-Leads, Body 1.7x1.1mm, Side Emitting Package", Part Description="High Performance Right Angle Chip Red LED", Part Number=LED_AVAGO_HSMC-C120, Pin Count=2, PressFit=No, Sense=No, SMD=Yes, Socket=No
M1 M4: library part PLATED_HOLE3.0_PAD6.0, "Single Terminal Socket", Author="CERN DEM JLC", Component Type="Standard (No BOM)", ComponentHeight=0mm, CreateDate=26.05.2008, Family="Plated Hole", LatestRevisionDate=26.05.2008, Mounted=No, PackageDescription="Plated Through Hole: Hole Dia.=3.0mm Pad Dia.=6.0mm", Part Description="Plated Through Hole: Hole Dia.=3.0mm Pad Dia.=6.0mm", Part Number=PLATED_HOLE3.0_PAD6.0, Pin Count=1, SMD=No, Socket=No, Status=None, Table=Pads
MP1A MP1B MP1C MP1D MP1E MP1F MP1G MP1H: "WE-SHC Shielding Cabinet, SMT Frame Seamless, Tin Plated, Tray, 23x11.7x5mm", Manufacturer="Wurth Elektronik", Operating Temperature Max=125°C, Operating Temperature Min=-40°C, Base Material=Steel, Category="EMC Shielding", ComponentLink1Description="Website Link", ComponentLink1URL=https://www.we-online.com/redexpert/article/3670230?ad, ComponentLink2Description="Datasheet Link", ComponentLink2URL=https://www.we-online.com/redexpert/spec/3670230?ad, Height=5mm, Length=23mm, Manufacturer Part Number=3670230, Match Code=WE-SHC, Mount="Surface Mount", Packaging=Tray, Plating="Tin Plated", Type="SMT Frame Seamless", Width=11.7mm
OSC1 OSC3: library part OSC_0.2-250MHZ_SILICON-LAB_549CBAC000112ABG, "Any-Rate I2C Programmable XO Oscillator Si549 Series", Manufacturer="SILICON LABS", Manufacturer Part Number=549CBAC000112ABG, Author="CERN DEM BC", Bonding=No, Component Type=Standard, ComponentHeight=1.33mm, CreateDate=25.10.2019, HelpURL=\\cern.ch\dfs\Applications\Altium\Datasheets\OSC_SILICON-LAB_SI549.pdf, LatestRevisionDate=25.10.2019, Mounted=Yes, PackageDescription="Oscillator Si549 Series, 8 pins, 5x7mm", Part Description="0.2-250MHz, 1.8V/2.5V/3.3V ±10ppm CMOS , Any-Rate I2C Programmable XO Oscillator Si549 Series", Part Number=OSC_0.2-250MHZ_SILICON-LAB_549CBAC000112ABG, Pin Count=8, PressFit=No, Sense=No, SMD=Yes, Socket=No
P1: "WR-BTB Board to Board Connector, Male Plug, pitch 0.8mm, height 5.6mm, 40p", Contact Resistance=50mΩ, Insulation Resistance=100MΩ, Manufacturer="Wurth Elektronik", Operating Temperature Max=85°C, Operating Temperature Min=-55°C, Rated Current=0.5A, Withstanding Voltage=500VAC, Working Voltage=50VAC, Category="Board-to-Board Connectors", Compliance="Lead free / RoHS", ComponentLink1Description="Website Link", ComponentLink1URL=https://www.we-online.com/redexpert/article/658855603040?ad, ComponentLink2Description="Datasheet Link", ComponentLink2URL=https://www.we-online.com/redexpert/spec/658855603040?ad, Gender="Male Plug", Height=5.6mm, Manufacturer Part Number=658855603040, Match Code=WR-BTB, Mount="Surface Mount", Number of Pins=40, Orientation=Vertical, Packaging="Tape and Reel", Pitch=0.8mm
PB1: library part PB_TYCO_FSMSM, "Push-Button Switch SPDT", Manufacturer="TYCO ELECTRONICS", Manufacturer Part Number="FSMSM or 1437566-3", Author="CERN DEM JLC", Component Type=Standard, ComponentHeight=4.3mm, CreateDate=30.06.2008, Family="Push Button", HelpURL=\\cern.ch\dfs\Applications\Altium\Datasheets\PB_TYCO_FSMSM.pdf, LatestRevisionDate=21.06.2012, Mounted=Yes, PackageDescription="Body 3.5x6.0mm, Pushbutton Switch,  TYCO ALCOSWITCH FSMSM Serie", Part Description="12VDC 50mA SPST Tactile  Push-Button Switch", Part Number=PB_TYCO_FSMSM, Pin Count=2, PressFit=No, Sense=No, SMD=Yes, Socket=No, Status=None
Plate1: library part AMPHENOL_U77A11108000P, "Plastic Dust Cover SFP Cage", Manufacturer=AMPHENOL, Manufacturer Part Number=U77A11108000P, Author="CERN DEM BC", Component Type=Standard, ComponentHeight=10.2mm, CreateDate=28.10.2019, HelpURL=\\cern.ch\dfs\Applications\Altium\Datasheets\AMPHENOL_U77A11108000P.pdf, LatestRevisionDate=28.10.2019, Mounted=Yes, PackageDescription="Plastic Dust Cover SFP Cage", Part Description="Plastic Dust Cover SFP Cage", Part Number=AMPHENOL_U77A11108000P, Pin Count=0, PressFit=No, Sense=No, SMD=No, Socket=No, Status=None
Q1: library part 29262, Case=SOT23-6, Temperature-Range=-40/+85, AN=29262, Extra="1.2V - 8V, 3A PFET High-Side Load Switch", HelpURL=b:\AD\adlib\datasheet\TPS27081A\, Manufacturer Part Number=TPS27081ADDCR, Mixed=SMT
Q2: library part XTAL_12MHZ_TXC_7M-12.000MAAJ-T, "Crystal 4 pins 1=XTAL Control 2=GND3=XTAL 4=GND", Manufacturer="TXC CORPORATION", Manufacturer Part Number=7M-12.000MAAJ-T, Author="CERN DEM JLC", Bonding=No, Component Type=Standard, ComponentHeight=0.8mm, CreateDate=19.06.2012, HelpURL=\\cern.ch\dfs\Applications\Altium\Datasheets\XTAL_TXC_7M.pdf, LatestRevisionDate=19.06.2012, Mounted=Yes, PackageDescription="4 Pins, 2.5x3.2mm, SMD Sealing Crystal, 7M Serie", Part Description="±30ppm 18pF -20°C to +70°C  4 Pins, 3.2x2.5X0.8mm, SMD Sealing Crystal, 7M Series", Part Number=XTAL_12MHZ_TXC_7M-12.000MAAJ-T, Pin Count=4, PressFit=No, Sense=No, SMD=Yes, Socket=No
Q3: library part XTAL_114.285MHZ_CONNOR_CS-023, "Crystal 4 pins 1=XTAL Control 2=GND3=XTAL 4=GND", Manufacturer=CONNOR-WINFIELD, Manufacturer Part Number=CS-023-114.285M, Author="CERN DEM JLC", Bonding=No, Component Type=Standard, ComponentHeight=0.8mm, CreateDate=2014-07-08, HelpURL=\\cern.ch\dfs\Applications\Altium\Datasheets\XTAL_CONNOR_CS-023.pdf, LatestRevisionDate=2014-07-08, Mounted=Yes, PackageDescription="4 Pins, 2.5x3.2mm, SMD Sealing Crystal, CS Series", Part Description="±20ppm 18pF -40°C to +85°C  4 Pins, 3.2x2.5X0.8mm, SMD Crystal Unit, CS-018 Series", Part Number=XTAL_114.285MHZ_CONNOR_CS-023, Pin Count=4, PressFit=No, Sense=No, SMD=Yes, Socket=No
R1 R10 R25 R71: library part R0402_33K_1%_0.0625W_100PPM, "Resistor - 1%", Case=0402, Manufacturer=GENERIC, Manufacturer1 ComponentHeight=0.4mm, Manufacturer1 Example="YAGEO PHYCOMP", Manufacturer1 Part Number=232270673303L, Power=0.0625W, Tolerance=±1%, Author="CERN DEM JLC", Component Type=Standard, HelpURL=\\cern.ch\dfs\Applications\Altium\Datasheets\R0402_Phycomp_RC0402.pdf, Manufacturer Part Number=R0402_33K_1%_0.0625W_100PPM, Mounted=Yes, Part Description="General Purpose Thick Film Chip Resistor", Part Number=R0402_33K_1%_0.0625W_100PPM, Pin Count=2, PressFit=No, Sense=No, SMD=Yes, Socket=No, Status="Not Recommended", TC=±100ppm/°C
  R1: CreateDate=03.12.2007, LatestRevisionDate=17.10.2012
  R10 R25 R71: CreateDate=12/3/2007, LatestRevisionDate=10/17/2012
R2 R155 R213: library part R0402_18K_1%_0.0625W_100PPM, "Resistor - 1%", Case=0402, Manufacturer=GENERIC, Manufacturer1 ComponentHeight=0.4mm, Manufacturer1 Example="YAGEO PHYCOMP", Manufacturer1 Part Number=232270671803L, Power=0.0625W, Tolerance=±1%, Author="CERN DEM JLC", Component Type=Standard, CreateDate=03.12.2007, HelpURL=\\cern.ch\dfs\Applications\Altium\Datasheets\R0402_Phycomp_RC0402.pdf, LatestRevisionDate=17.10.2012, Manufacturer Part Number=R0402_18K_1%_0.0625W_100PPM, Mounted=Yes, Part Description="General Purpose Thick Film Chip Resistor", Part Number=R0402_18K_1%_0.0625W_100PPM, Pin Count=2, PressFit=No, Sense=No, SMD=Yes, Socket=No, Status="Not Recommended", TC=±100ppm/°C
R3 R19 R20 R33 R42 R43 R44 R45 R46 R49 R51 R52 R53 R55 R57 R58 R67 R72 R73 R74 R75 R76 R77 R78 R88 R89 R90 R91 R101 R102 R103 R104 R108 R109 R110 R111 R112 R115 R117 R118 R119 R121 R122 R130 R134 R164 R165 R166 R170 R171 R172 R181 R184 R187 R189 R200 R201 R203 R204 R206 R207 R209 R259 R263 R264 R265 R274 R275 R284 R285 R287 R288 R290 R291 R292 R293 R294 R295: library part R0402_10K_1%_0.0625W_100PPM, "Resistor - 1%", Case=0402, Manufacturer=GENERIC, Manufacturer1 ComponentHeight=0.4mm, Manufacturer1 Example="YAGEO PHYCOMP", Manufacturer1 Part Number=232270671003L, Power=0.0625W, Tolerance=±1%, Author="CERN DEM JLC", Component Type=Standard, HelpURL=\\cern.ch\dfs\Applications\Altium\Datasheets\R0402_Phycomp_RC0402.pdf, Manufacturer Part Number=R0402_10K_1%_0.0625W_100PPM, Mounted=Yes, Part Description="General Purpose Thick Film Chip Resistor", Part Number=R0402_10K_1%_0.0625W_100PPM, Pin Count=2, PressFit=No, Sense=No, SMD=Yes, Socket=No, Status="Not Recommended"
  R3 R19 R20 R33 R42 R43 R44 R45 R46 R49 R51 R52 R53 R55 R57 R67 R72 R73 R74 R75 R76 R77 R78 R88 R89 R90 R91 R101 R102 R103 R104 R108 R109 R110 R111 R112 R115 R117 R118 R119 R121 R122 R130 R134 R164 R165 R166 R170 R171 R172 R181 R184 R187 R189 R200 R201 R203 R204 R206 R207 R209 R284 R285 R287 R288 R290 R291 R292 R293 R294 R295: CreateDate=03.12.2007, LatestRevisionDate=17.10.2012, TC=±100ppm/°C
  R58: ClassName=FPGA_JTAG, CreateDate=03.12.2007, LatestRevisionDate=17.10.2012, TC=±100ppm/°C
  R259 R263 R264 R265: CreateDate=2007-12-03, LatestRevisionDate=2012-10-17, TC=±100ppm/°C
  R274 R275: CreateDate=03.12.2007, LatestRevisionDate=17.10.2012
R4 R6 R7 R8 R16 R21 R22 R24 R29 R30 R31 R39 R40 R47 R48 R80 R82 R85 R87: library part R0402_200R_1%_0.0625W_100PPM, "Resistor - 1%", Case=0402, Manufacturer=GENERIC, Manufacturer1 ComponentHeight=0.4mm, Manufacturer1 Example="YAGEO PHYCOMP", Manufacturer1 Part Number=232270672001L, Power=0.0625W, Tolerance=±1%, Author="CERN DEM JLC", Component Type=Standard, CreateDate=03.12.2007, HelpURL=\\cern.ch\dfs\Applications\Altium\Datasheets\R0402_Phycomp_RC0402.pdf, LatestRevisionDate=17.10.2012, Manufacturer Part Number=R0402_200R_1%_0.0625W_100PPM, Mounted=Yes, Part Description="General Purpose Thick Film Chip Resistor", Part Number=R0402_200R_1%_0.0625W_100PPM, Pin Count=2, PressFit=No, Sense=No, SMD=Yes, Socket=No, Status="Not Recommended", TC=±100ppm/°C